# KiCad board MES Main Board.kicad_pcb (continued)
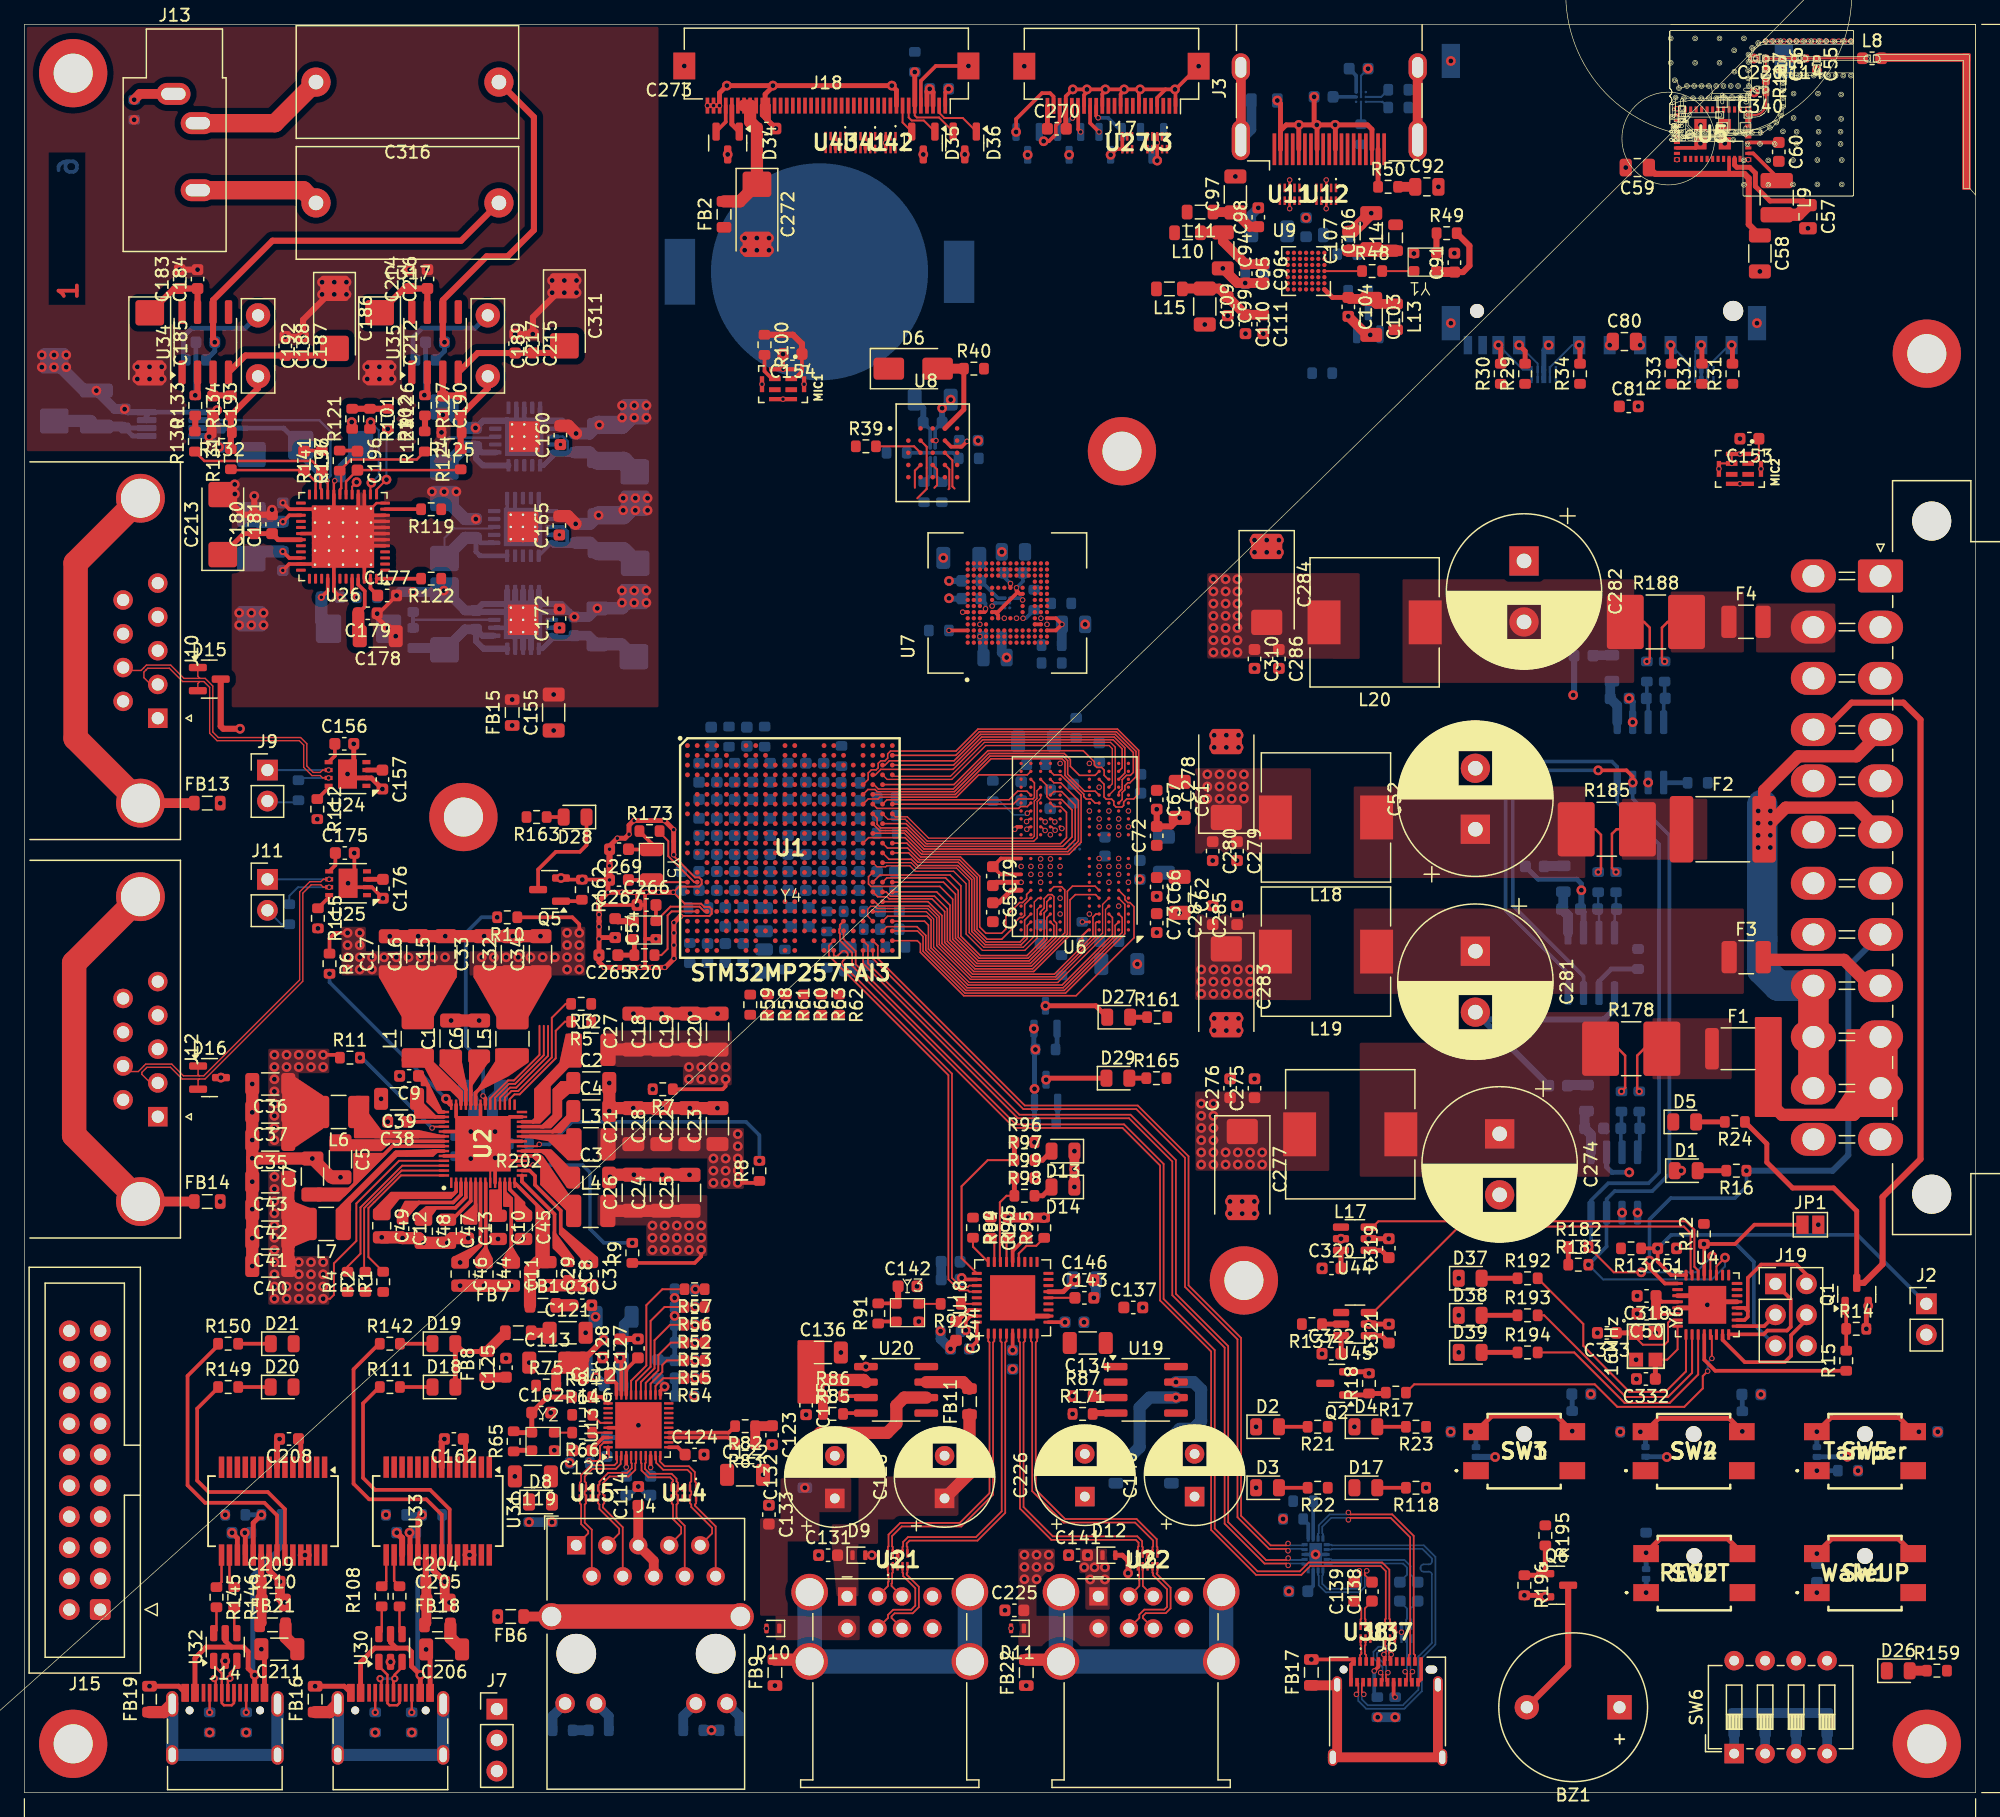
[diagram p0: board, top side]
## Nets (continued)
Net-(C189-Pad2): C189.2 R124.2 R125.1 R127.1
Net-(C191-Pad2): C191.2 C316.1 R128.2 U35.6
Net-(C192-Pad1): C192.1 R130.2 R133.1 R135.1
Net-(C192-Pad2): C192.2 R131.2 R132.1 R134.1
Net-(C194-Pad2): C194.2 C317.1 R135.2 U34.6
Net-(C196-Pad1): C196.1 R136.2
Net-(C197-Pad1): C197.1 R141.2
Net-(C220-Pad1): C56.1 C220.1 R114.2 R117.1
Net-(C269-Pad1): C269.1 R173.1 Y5.1
Net-(C274-Pad1): C274.1 L17.1 R178.1 R179.1
Net-(C281-Pad1): C281.1 F3.1 L19.1
Net-(C282-Pad2): C282.2 L20.1 R187.1 R188.1
Net-(C316-Pad2): C316.2 J13.T
Net-(C317-Pad2): C317.2 J13.R
Net-(D1-A): D1.2 R16.2
Net-(D2-A): D2.2 R21.2
Net-(D3-A): D3.2 R22.2
Net-(D4-A): D4.2 R23.2
Net-(D5-A): D5.2 R24.2
Net-(D6-A): D6.2 R40.1 U8.A4
Net-(D7-K): D7.3 R47.2
Net-(D8-A): D8.2 R72.2 U13.34
Net-(D8-K): D8.1 R73.2
Net-(D9-K): C126.1 C131.2 D9.1 FB11.1 J5.1
Net-(D10-K): C132.1 C133.2 D10.1 FB23.1 J5.5
Net-(D11-K): C225.2 C226.1 D11.1 FB25.1 J16.5
Net-(D12-K): C140.1 C141.2 D12.1 FB24.1 J16.1
Net-(D13-A): D13.2 R97.2
Net-(D14-A): D14.2 R98.2
Net-(D17-A): D17.2 R118.2
Net-(D18-K): D18.1 R111.2
Net-(D19-K): D19.1 R142.2
Net-(D20-K): D20.1 R149.2
Net-(D21-K): D21.1 R150.2
Net-(D23-K): D23.1 R140.1 R151.1 SW3.2
Net-(D24-K): D24.1 R153.1 R154.1 SW4.2
Net-(D26-A): D26.2 R159.1
Net-(D27-A): D27.2 R161.1
Net-(D27-K): D27.1 Q3.3
Net-(D28-A): D28.2 R163.1
Net-(D28-K): D28.1 Q5.3
Net-(D29-A): D29.2 R165.1
Net-(D29-K): D29.1 Q4.3
Net-(D37-A): D37.2 R192.1
Net-(D38-A): D38.2 R193.1
Net-(D39-A): D39.2 R194.1
Net-(F1-Pad1): F1.1 R138.1 R178.2
Net-(F2-Pad1): F2.1 R185.2 R186.1
Net-(F4-Pad1): F4.1 R188.2 R189.1
Net-(FB5-Pad1): FB5.1 J3.SH
Net-(FB6-Pad1): FB6.1 J4.15 J4.16
Net-(J3-+5V): J3.18 R50.1
Net-(J3-CEC): J3.13 R44.1 U10.A2
Net-(J3-HPD/HEAC-): C93.2 J3.19 R51.1 U9.C4 U10.C3
Net-(J3-SCL): J3.15 R45.1 U9.D1 U10.A3
Net-(J3-SDA): J3.16 R46.1 U9.D2 U10.B3
Net-(J4-CT1): C114.1 J4.5 J4.6
Net-(J4-GA): J4.11 R68.1
Net-(J4-GC): J4.12 R70.2 U13.32
Net-(J4-YA): J4.13 R71.2 U13.33
Net-(J4-YC): J4.14 R69.2
Net-(J5-Shield): FB9.2 J5.9
Net-(J6-CC1): J6.A5 R180.1
Net-(J6-CC2): J6.B5 R181.1
Net-(J6-SHIELD): FB17.1 J6.S1
Net-(J8-CC1): J8.A5 R104.1
Net-(J8-CC2): J8.B5 R103.1
Net-(J8-SHIELD): FB16.1 J8.S1
Net-(J9-Pin_2): J9.2 R113.1
Net-(J10-PAD): FB13.1 J10.0
Net-(J11-Pin_2): J11.2 R116.1
Net-(J12-PAD): FB14.1 J12.0
Net-(J13-PadS): J13.S R129.2
Net-(J14-CC1): J14.A5 R144.1
Net-(J14-CC2): J14.B5 R143.1
Net-(J14-SHIELD): FB19.1 J14.S1
Net-(J16-Shield): FB22.2 J16.9
Net-(MIC1-LR): MIC1.2 R100.2
Net-(Q1-G): Q1.1 R14.1 R15.2
Net-(Q2-G): Q2.1 R17.2 R18.1
Net-(Q6-G): Q6.1 R195.2 R196.1
Net-(R107-Pad2): R107.2 U30.6
Net-(R108-Pad2): R108.2 U30.4
Net-(R145-Pad2): R145.2 U32.6
Net-(R146-Pad2): R146.2 U32.4
Net-(R152-Pad2): R152.2 SW6.4
Net-(R156-Pad2): R156.2 SW6.3
Net-(R157-Pad2): R157.2 SW6.2
Net-(R158-Pad2): R158.2 SW6.1
Net-(SD1-CLK): R28.1 R34.2 SD1.5 U16.4 U16.7
Net-(SW5-B): R155.2 SW5.1
Net-(Temp2-ADD0): R201.1 Temp2.B2
Net-(Temp3-ADD0): R203.1 Temp3.B2
Net-(Temp4-ADD0): R205.1 Temp4.B2
Net-(U1D-DSI_REXT): R174.1 U1.E8
Net-(U1E-COMBOPHY_REXT): R168.1 U1.Y20
Net-(U1E-USB3DR_TXRTUNE): R169.1 U1.V17
Net-(U1E-USBH_HS_TXRTUNE): R170.1 U1.V16
Net-(U1F-DDR_ZQ): R27.2 U1.K16
Net-(U1G-V08CAP): C299.1 U1.M8
Net-(U1G-VDD33UCPD): C300.1 R175.2 U1.T16 U1.Y16
Net-(U1G-VDDA18ADC): C227.1 C233.1 R167.1 U1.V7
Net-(U1G-VDDA18DSI): C254.1 U1.C7
Net-(U1G-VDDA18LVDS): C253.1 U1.C4
Net-(U1G-VDDCOMBOPHY): C228.1 C234.1 C243.1 R172.2 U1.V18 U1.V19 U1.Y19
Net-(U1G-VDDDSI): C301.1 U1.F7
Net-(U1I-CSI_REXT): R41.1 U1.E6
Net-(U2-INTLDO): C44.1 U2.8
Net-(U2-LDO1OUT): C29.1 FB1.1 U2.14
Net-(U2-PWRCTRL1): R1.2 U2.56
Net-(U2-PWRCTRL2): R2.2 U2.55
Net-(U2-PWRCTRL3): R4.2 U2.54
Net-(U2-RSTN): R3.2 U2.31
Net-(U2-VBUS): C11.1 U2.12
Net-(U2-VLX1): L1.1 U2.40
Net-(U2-VLX2): L2.1 U2.26
Net-(U2-VLX3): L3.1 U2.23
Net-(U2-VLX4): L4.1 U2.19
Net-(U2-VLX5): L5.1 U2.37
Net-(U2-VLX6): L6.1 U2.48
Net-(U2-VLX7): L7.1 U2.51
Net-(U2-VREFDDR): C38.1 U2.45
Net-(U2-WAKEUPN): R5.2 U2.30
Net-(U4-XTAL1/PB6): C333.1 U4.7 Y6.1
Net-(U4-XTAL2/PB7): C332.1 U4.8 Y6.3
Net-(U5-ANT): C340.1 R117.2 U5.41
Net-(U5-SR_VLX): L9.1 U5.34
Net-(U5-VIN_LDO): C57.1 L9.2 U5.31
Net-(U6A-ZQ0): R26.2 U6.A5
Net-(U7-RSTn): R36.2 U7.K5
Net-(U7-VDDI): C86.1 C87.1 U7.C2
Net-(U9-A2VDD): C103.1 C104.1 L13.1 U9.G7
Net-(U9-AVDD): C100.1 C101.1 L12.1 U9.B4
Net-(U9-CEC): R44.2 R47.1 U9.D6
Net-(U9-CEC_CLK): R48.1 U9.D7
Net-(U9-PVDD): C106.1 C107.1 L14.1 U9.C6
Net-(U9-R_EXT): R42.1 U9.C5
Net-(U9-V3P3): C97.1 C98.1 L11.1 U9.B1
Net-(U13-CLKOUT): R64.2 U13.35
Net-(U13-REG_OUT): L16.1 U13.30
Net-(U13-RESET): R67.1 U13.39
Net-(U13-RXCLK_PHYAD1): R57.2 U13.27
Net-(U13-RXCTL_PHYAD2): R56.2 U13.26
Net-(U13-RXD0_RXDLY): R52.2 U13.25
Net-(U13-RXD1_TXDLY): R53.2 U13.24
Net-(U13-RXD2_PLLOFF): R55.2 U13.23
Net-(U13-RXD3_PHYAD0): R54.2 U13.22
Net-(U13-TXCLK): R62.2 U13.20
Net-(U13-TXCTL): R63.2 U13.19
Net-(U13-TXD0): R59.2 U13.18
Net-(U13-TXD1): R58.2 U13.17
Net-(U13-TXD2): R61.2 U13.16
Net-(U13-TXD3): R60.2 U13.15
Net-(U13-XTAL_OUT_EXT_CLK): R66.1 U13.37
Net-(U18-CRFILT): C143.1 U18.14
Net-(U18-PLLFILT): C144.1 U18.34
Net-(U18-RBIAS): R93.1 U18.35
Net-(U18-RESET_N): R90.2 U18.26
Net-(U18-SCL/SMBCLK/CFG_SEL0): R94.1 U18.24
Net-(U18-SDA/SMBDATA/NON_REM1): R95.1 U18.22
Net-(U18-VBUS_DET): R89.2 U18.27
Net-(U18-XTALIN/CLKIN): R92.1 U18.33
Net-(U19-OUT1): FB24.2 U19.7
Net-(U19-OUT2): FB25.2 U19.6
Net-(U20-OUT1): FB11.2 U20.7
Net-(U20-OUT2): FB23.2 U20.6
Net-(U23-NR): C160.1 U23.14
Net-(U26-I2C): R121.1 U26.17
Net-(U26-LDOE): R120.2 U26.44
Net-(U26-OUTL1+): C196.2 R124.1 U26.18
Net-(U26-OUTL1-): R123.1 R136.1 U26.19
Net-(U26-OUTR1+): C197.2 R131.1 U26.23
Net-(U26-OUTR1-): R130.1 R141.1 U26.22
Net-(U26-VDD18): C177.1 U26.47
Net-(U28-NR): C165.1 U28.14
Net-(U29-FB): R105.2 R106.1 U29.3
Net-(U29-NR/SS): C172.1 U29.14
Net-(U31-3V3OUT): C161.1 U31.17
Net-(U31-CBUS0): R111.1 U31.23
Net-(U31-CBUS1): R142.1 U31.22
Net-(U31-VCC): C162.1 C204.1 C205.1 FB18.1 U31.4 U31.20
Net-(U31-~{RESET}): R109.2 R110.1 U31.19
Net-(U33-3V3OUT): C207.1 U33.17
Net-(U33-CBUS0): R149.1 U33.23
Net-(U33-CBUS1): R150.1 U33.22
Net-(U33-VCC): C208.1 C209.1 C210.1 FB21.1 U33.4 U33.20
Net-(U33-~{RESET}): R147.2 R148.1 U33.19
Net-(U34-+): C193.1 R134.2 U34.3
Net-(U34--): C194.1 R133.2 U34.2
Net-(U35-+): C190.1 R127.2 U35.3
Net-(U35--): C191.1 R126.2 U35.2
Net-(U45-DIR): R137.1 U45.5
Net-(U46-IN+): C323.2 R138.2 U46.8
Net-(U46-IN-): C323.1 R179.2 U46.7
Net-(U46-VS): C324.2 FB3.1 U46.5
Net-(U47-A0): R190.2 U47.2
Net-(U47-IN+): C326.2 R186.2 U47.8
Net-(U47-IN-): C326.1 R184.2 U47.7
Net-(U47-VS): C327.2 FB12.1 U47.5
Net-(U48-A1): R191.2 U48.1
Net-(U48-IN+): C329.2 R189.2 U48.8
Net-(U48-IN-): C329.1 R187.2 U48.7
Net-(U48-VS): C330.2 FB20.1 U48.5
Net-(Y1-OUT): R48.2 Y1.3
Net-(Y1-VC): R49.1 Y1.1
Net-(Y2-OUT): R66.2 Y2.3
Net-(Y2-VC): R65.1 Y2.1
Net-(Y3-OUT): R92.2 Y3.3
Net-(Y3-VC): R91.1 Y3.1
Net-(Y4-VC): C265.1 R20.2 Y4.1

Pads without a net:  #2 1;  #6 1; D7 2; J1 1 2 12 13 20; J3 14; J6 A4 A8 A9 B4 B8 B9; J8 A8 B8; J10 1 4 8 9; J12 1 4 8 9; J14 A8 B8; J15 11 17 19; J18 20 21 22 23 24 25 26 27 28 29; SW1 3; SW2 3; SW3 3; SW4 3; SW5 3; U1 A2 A3 A4 AA4 AA6 AA7 AA8 AA14 AA18 AA21 AB3 AB21 B1 B2 B3 B4 C1 C2 C3 C10 E11 G2 G16 H1 H4 K3 K5 K6 K7 K17 K18 L4 L7 L20 M2 M3 M18 N3 N5 P2 P3 P5 P16 P17 R5 R6 R17 R18 R19 T9 T12 T13 T14 T15 T17 T19 U4 U9 U14 U15 U16 U18 U19 V4 V5 V6 V8 V15 W3 W7 W13 Y3 Y6 Y7 Y8 Y13 Y18; U4 2 14 19 22 23 24 25 26; U5 6 7 13 15 16 17 18; U6 A1 A2 A8 A11 A12 AA1 AA12 AB1 AB2 AB11 AB12 B1 B12 G11 H3 J5 K5 K8 N5 N8 P5 R3; U7 A1 A2 A7 A8 A9 A10 A11 A12 A13 A14 B1 B7 B8 B9 B10 B11 B12 B13 B14 C1 C3 C5 C7 C8 C9 C10 C11 C12 C13 C14 D1 D2 D3 D4 D12 D13 D14 E1 E2 E3 E5 E8 E9 E10 E12 E13 E14 F1 F2 F3 F10 F12 F13 F14 G1 G2 G3 G10 G12 G13 G14 H1 H2 H3 H5 H12 H13 H14 J1 J2 J3 J12 J13 J14 K1 K2 K3 K6 K7 K10 K12 K13 K14 L1 L2 L3 L12 L13 L14 M1 M2 M3 M7 M8 M9 M10 M11 M12 M13 M14 N1 N3 N6 N7 N8 N9 N10 N11 N12 N13 N14 P1 P2 P7 P8 P9 P10 P11 P12 P13 P14; U8 A2 A3 A5 B1 B5 C1 C3 C5 D1 D5 E1 E2 E3 E4 E5; U10 A1; U16 5 6; U17 5 6; U18 32; U23 2 4 6 9 12 17 18 19; U26 24 25 28 29 32 33 36 37 38 39 42 43; U28 2 4 5 8 9 11 12 17 18 19; U31 2 3 6 8 9 10 11 12 13 14 24 27 28; U33 2 3 6 8 9 10 11 12 13 14 24 27 28; U34 1 5 8; U35 1 5 8

## Via types
v1: diameter 0.8, hole 0.4, Top to Bottom, 689 vias
v2: diameter 0.45, hole 0.3, Top to Bottom, 185 vias
v3: diameter 0.6, hole 0.3, Top to Bottom, 24 vias

## Routing (per net, layer and track width the routed paths; a pad name or vN(x,y) marks a point on that pad's centre or on a via; arc(x,y) is an arc through that point)
1.8V1_FB: length 17.9
  Top w0.3: U2.35 37.8,56.94 v2(37.61,57.13)
  Bottom w0.3: v2(37.61,57.13) 37.61,59.83 36.19,61.25 36.19,70.49 37.48,71.78 v1(38.77,71.78)
+1.8V: length 21.5
  Top w0.3: U7.N4 U7.M4 ; U7.C6 78.73,96.8 78.81,96.88 v2(78.81,97.08) ; v1(45.5,70.5) 45.5,71.21 44.93,71.78 R10.1 ; U7.P5 84.58,96.3 v2(85.08,95.8) 84.58,95.3 U7.P3
  Top w1: C33.1 C34.1 ; L5.2 C32.1
  Bottom w0.3: C84.1 78.81,97.52 v2(78.81,97.08)
  Bottom w0.8: 85.06,94.09 85.06,95.78 v2(85.08,95.8)
  vias: v1(37.5,68.5) v1(38.5,68.5) v1(39.5,68.5) v1(40.5,68.5) v1(41.5,68.5) v1(42.5,68.5) v1(43.5,68.5) v1(44.5,70.5) v1(44.5,69.5) v1(44.5,68.5) v1(44.5,67.5) v1(45.5,69.5) v1(45.5,68.5) v1(45.5,67.5)
+1V_AVDD_RGMII: length 5.2
  Top w0.3: C120.1 46.52,28.18 47.46,29.12 U13.38 ; U13.3 v2(49.35,26.69) ; U13.8 v2(51.35,26.66)
  Bottom w0.3: v2(49.35,26.69) C118.1 ; v2(51.35,26.66) C117.1
+1V_DVDD_RGMII: length 3.9
  Top w0.3: v1(52.5,33.29) 52.15,32.95 U13.21
  Bottom w0.3: C115.1 51.94,33.85 v1(52.5,33.29)
  Bottom w0.8: R74.1 49.14,38.37 C116.1
+1V_RGMII: length 11
  Top w0.5: C112.2 46.03,35.68 v1(47.49,37.14)
  Top w0.8: L16.2 45.51,34.1 44.35,35.26 ; L16.2 45.86,35.67 C112.2 45.45,35.26 ; L16.2 45.86,34.85 45.45,35.26 ; 45.45,35.26 44.35,35.26 ; 44.35,35.26 43.61,34.52 R75.2
+3.3V: length 126.4
  Top w0.157: v1(24.5,40.5) 25.06,40.5 25.38,40.82 25.38,43.4 27.22,45.24 27.22,48.31 30.72,51.81 U2.53
  Top w0.164: C153.1 142.22,109.63 141.6,109 141.35,109
  Top w0.3: U18.10 85.33,38.58 v1(85.34,38.57) ; R91.2 71.45,40.12 Y3.4 ; 25.5,77.05 25.5,76.05 U25.5 ; v1(76.86,42.2) 76.98,42.08 U18.29 ; U2.3 35.8,49.03 35.16,48.39 32.36,48.39 31.01,47.04 C12.1 ; v1(77.49,36.38) 78.1,36.99 U18.36 ; C179.2 27.91,97.24 27.91,98.52 27.38,99.06 U26.45 ; C154.1 63.76,116.55 63.16,115.95 MIC1.1 ; v2(77.3,110.81) 76.86,110.37 75.98,110.37 U8.B4 ; U5.30 139.78,132.75 139.79,132.74 ; U5.36 C60.1 ; U18.23 81.03,44.42 C145.1 ; U24.5 25.46,85.02 C156.1 ; U18.5 v1(81.03,36.27)
  Top w0.4: J17.22 83.89,136.44 C270.1 ; v1(86.14,42.03) 85.19,41.08 U18.15 ; J18.3 74.51,139.44 v1(74.23,139.71) 74.01,139.48 J18.4 ; FB8.2 35.97,36.18 D19.2 35.34,36.81 D18.2
  Top w0.5: C142.1 71.65,40.24 Y3.4 ; C58.1 141.4,128.6 141.4,132.38 141.04,132.74 133.73,132.74 C59.1 ; R49.2 118.49,126.84 118.49,125.21 117.97,124.69 C91.1 ; R121.2 R102.1 ; R100.1 63.02,119.55 63.76,118.81 C154.1
  Top w0.8: FB7.2 39.44,37.7 FB8.2 ; C91.1 115.88,124.69 Y1.4
  Top w1: 27.5,94.83 27.38,94.95 C179.2 ; L7.2 21.7,46.63 21.64,46.69 ; 21.64,46.69 C40.1 ; 21.64,46.69 C43.1 ; FB18.2 34.93,12.7 C206.1 ; FB21.2 21.41,12.73 C211.1
  Bottom w0.3: C339.2 37.4,55.12 Temp3.A2 ; C240.2 105.68,16.95 U40.17 ; C342.2 74.28,111.77 Temp4.A2 ; C334.2 79.84,97.95 Temp1.A2 ; C88.1 76.72,110.81 v2(77.3,110.81)
  Bottom w0.5: C341.1 73.7,113.53 C342.2
  Bottom w0.8: C339.2 36.83,56.87 C338.1
  vias: v1(20.5,50.5) v1(20.5,49.5) v1(20.5,48.5) v1(20.5,47.5) v1(20.5,46.5) v1(20.5,45.5) v1(20.5,44.5) v1(20.5,43.5) v1(20.5,42.5) v1(20.5,41.5) v1(20.5,40.5) v1(21.5,41.5) v1(21.5,40.5) v1(22.5,43.5) v1(22.5,42.5) v1(22.5,41.5) v1(22.5,40.5) v1(23.5,43.5) v1(23.5,42.5) v1(23.5,41.5) v1(23.5,40.5) v1(24.5,43.5) v1(24.5,42.5) v1(24.5,41.5)
+3.3V_AVDD_RGMII: length 4
  Top w0.3: 54.18,27.72 53.58,28.32 U13.11 ; U13.40 47.86,27.68 v2(47.75,27.57)
  Top w0.8: FB8.1 39.47,34.05 C125.1
+3.3V_DVDD_RGMII: length 22.6
  Top w0.3: U13.28 49.35,34.69 C127.1 ; U13.29 48.95,35.55 v1(48.85,35.65)
  Top w0.4: R84.1 42.89,32.44 C102.1 Y2.4 40.23,29.52 R65.2
  Top w0.8: R83.1 R82.1 61.28,30.05 C123.1 ; FB7.1 C121.1
  Bottom w0.5: R79.1 53.37,33.94 C129.1
  Bottom w0.8: R68.2 R70.1 ; C105.2 48.97,33.5 C108.2
+3.3V_USB: length 3.2
  Top w0.3: C45.1 40.92,48.34 39.8,49.46 U2.13
+5V: length 84
  Top w0.3: C5.1 25.92,53.41 U2.49 ; C2.1 44.04,58.19 43.47,57.62 43.47,55.54 42.54,54.61 40.8,54.61 ; C6.1 36.61,59.68 36.61,56.42 U2.38 ; U2.20 42.82,52.61 C3.1 ; C13.1 37,47.63 U2.6 ; C9.1 32.32,58.71 33.12,57.91 33.12,56.68 33.99,55.81 U2.43 ; 35.35,60.34 35.33,60.36 ; 38.71,47.43 C10.1 38.67,47.47 38.67,48.48 39,48.81 U2.11 ; C4.1 43.33,54.21 U2.24 ; C8.1 43.47,44.69 43.47,47.43 40.8,50.1 U2.15 ; 36.2,56.41 36.2,57.64 34.2,59.64 ; C7.1 26.21,49.05 30.17,53.01 U2.50 ; 34.2,59.64 34.27,59.64 ; 34.2,59.64 34.2,59.7
  Top w0.4: U24.3 29.35,83.86 C157.1 ; U25.3 29.39,74.9 C176.1
  Top w0.8: C135.1 65.45,32.54 R86.1 R85.1
  Top w1: C136.1 64,32.64 C135.1 65.4,33.84 68.83,33.84 U20.2
  Bottom w0.3: C90.1 109.2,140.8 U10.C1 ; U10.B1 107.32,139.05 C89.1
  vias: v1(97,83.5) v1(97,82.5) v1(97,81.5) v1(98,83.5) v1(98,82.5) v1(98,81.5) v1(99,83.5) v1(99,82.5) v1(99,81.5) v1(100,83.5) v1(100,82.5) v1(100,81.5)
+5V_HDMI: length 8.8
  Top w0.3: U2.7 37.4,44.88 35.99,43.47 v1(35.73,43.47)
  Top w0.8: R50.2 C92.1
+5V_VONN: length 4.1
  Top w0.3: U2.5 36.6,48.51 35.07,46.98 C47.1
+5VA: length 35.8
  Top w0.3: v3(24.35,98.02) 24.88,98.55 U26.40 ; U26.34 21.72,101.25 v3(21.19,101.78) ; U26.27 21.73,104.74 v3(21.2,104.22)
  Top w0.4: U26.31 20.8,102.75 C181.1 C180.1 17.99,103.24 C213.1
  Bottom w0.164: C167.1 34.44,102.89 35.23,103.67 38.4,103.67 U28.3
  Bottom w0.4: U28.1 37.42,102.49 C166.1 37.02,101.77 37.36,101.43 U28.20
  Bottom w1: v3(21.19,101.78) 19.2,101.78 C201.1 ; C199.1 19.2,104.22 v3(21.2,104.22) ; C166.1 36.14,102.89 C167.1 ; v3(24.35,98.02) 24.35,96.03 C203.1
+5VREF: length 31.3
  Top w0.2: U26.21 24.88,107.5 v2(24.8,107.58)
  Bottom w0.2: 24.36,107.94 24.34,107.92 ; v2(24.8,107.58) 24.8,107.67 25.11,107.98 25.11,111.61 24.17,112.55 U36.6
  Bottom w0.4: 16.44,111.9 16.44,111.9 18.23,111.9 ; v2(24.8,107.58) 24.45,107.92 24.34,107.92 22.66,109.6 C195.1 21.27,111.89 C221.1 16.04,111.9 14.25,111.9
+5VSB: length 26.7
  Top w0.3: C318.1 134.28,40.25 U4.4 ; 141.32,39.48 141.32,39.02 141.05,38.75 U4.18 ; 141.32,39.48 141.32,42.21 142.41,43.3 145.31,43.3 146.13,42.48 J19.2 ; 141.32,39.48 141.05,39.75 U4.20 ; U4.6 133.81,39.25 C50.1
  Top w0.4: U45.1 111.29,37.47 C321.1 ; U44.1 111.28,44.47 C319.1 ; R182.1 R183.1
  Top w0.8: C318.1 C50.1
  Bottom w0.8: C325.2 126.59,58.02 FB3.2 ; FB20.2 128.67,93.27 C331.2 ; FB12.2 124.68,76 C328.2
  vias: v1(96.5,67.5) v1(96.5,66.5) v1(96.5,65.5) v1(97.5,67.5) v1(97.5,66.5) v1(97.5,65.5) v1(98.5,67.5) v1(98.5,66.5) v1(98.5,65.5) v1(99.5,67.5) v1(99.5,66.5) v1(99.5,65.5) v1(100.5,67.5) v1(100.5,66.5) v1(100.5,65.5)
+10VA: length 37.8
  Top w0.5: U34.7 C184.1 C183.1 12.27,123.34 C185.1 ; C212.1 31.12,123.34 C214.1 33.05,123.34 C216.1 33.04,123.34 U35.7
  Bottom w0.2: C174.1 34.44,110.74 34.81,111.11 38.54,111.11 U23.3
  Bottom w0.4: U36.1 8.89,111.25 C218.1 8.24,111.9 10.03,111.9
  Bottom w0.5: U23.20 37.58,108.84 37.04,109.38 C173.1 37.5,109.9 U23.1
  Bottom w0.8: C219.1 8.11,112.02
  Bottom w1: C312.1 5.44,112.48 ; C174.1 36.1,110.36 C173.1
+12V: length 23.2
  Bottom w0.2: 44.53,109.8 44.56,109.83 44.56,110.8 44.15,111.2 U23.13
  Bottom w0.3: U28.13 44.13,103.79 44.52,103.41 44.52,102.34 44.5,102.32 ; U28.16 U28.15
  Bottom w0.4: U23.15 43.35,109.61 42.58,108.84 U23.16
  Bottom w0.5: 45.16,109.9 45.06,109.8 43.45,109.8 U23.15 ; C164.1 45.03,102.32 43.42,102.32 U28.15
  Bottom w1: C159.1 46.34,109.9 C168.1 ; C164.1 46.39,102.49 C163.1
  Bottom w1.5: C159.1 49.14,109.2 C158.1 ; C163.1 49.1,101.79 C313.1
  vias: v1(96.5,56.5) v1(96.5,55.5) v1(96.5,54.5) v1(96.5,53.5) v1(96.5,52.5) v1(96.5,51.5) v1(97.5,56.5) v1(97.5,55.5) v1(97.5,54.5) v1(97.5,53.5) v1(97.5,52.5) v1(97.5,51.5) v1(98.5,52.5) v1(98.5,51.5) v1(99.5,52.5) v1(99.5,51.5) v1(100.5,52.5) v1(100.5,51.5) v1(101.5,52.5) v1(101.5,51.5)
-10VA: length 30.5
  Top w0.5: U35.4 37.17,118.05 C217.2 41.69,118.05 C215.2 43.7,118.06 C311.2 ; C186.2 24.85,117.85 C187.2 C188.2 18.13,117.85 U34.4
  Bottom w0.5: U29.1 37.55,94.87 C170.1 37.03,94.43 37.65,93.81 U29.20
  Bottom w0.8: C170.1 36.14,95.39 C171.2 34.3,93.86 R105.1
-12V: length 9.3
  Bottom w0.4: U29.15 43.25,94.58 42.48,93.81 U29.16
  Bottom w0.5: C315.1 44.93,94.7 43.43,94.7 U29.15
  Bottom w0.8: C314.1 46.28,94.87 C315.1
  Bottom w1: C314.1 48.97,94.16 C169.2
  vias: v1(97.5,99.5) v1(97.5,98.5) v1(97.5,97.5) v1(97.5,96.5) v1(97.5,95.5) v1(97.5,94.5) v1(97.5,93.5) v1(98.5,99.5) v1(98.5,98.5) v1(98.5,97.5) v1(98.5,96.5) v1(98.5,95.5) v1(98.5,94.5) v1(98.5,93.5) v1(99.47,99.5) v1(99.47,98.5) v1(99.47,97.5) v1(99.47,96.5) v1(99.47,95.5) v1(99.47,94.5) v1(99.47,93.5)
GND: length 497.9
  Top w0.127: v2(83.7,78.9) 83.4,79.2 U6.P10
  Top w0.157: v1(36.6,51.99) 37.6,52.99 U2.57 38.2,52.61 38.2,50.01 ; v2(53.24,76.91) 53.24,76.8 54.99,75.05 55.33,75.05 55.54,74.84 55.54,74.51 55.32,74.29 53.67,74.29 v2(53.21,73.83) 54.14,72.9 55.48,72.9 55.75,72.63 56.17,72.63 56.36,72.44 56.36,72.07 56.18,71.89 53.83,71.89 v2(53.81,71.87)
  Top w0.164: v2(140.68,109.78) 140.04,109.78 139.99,109.72 140,109.71 v2(140,109) 139.05,109 138.95,108.9 v2(138.95,108.55)
  Top w0.2: v2(106.75,129.89) U12.8 ; v2(103.75,129.89) U11.8 ; U11.3 v2(103.75,132.24) ; U12.3 v2(106.75,132.24)
  Top w0.3: 50.9,70.03 50.9,72.8 ; 50.9,70.03 50.92,70.01 v2(51.79,70.01) ; 50.9,70.03 50.9,67.72 50.85,67.67 ; 50.9,72.8 50.89,72.79 v1(50.24,72.79) ; 50.9,72.8 50.9,73.73 v2(51,73.83) ; J6.B1 114.53,9.3 J6.A12 ; J17.13 88.39,139.29 88.77,139.67 ; U27.3 U27.4 89.53,134.77 v1(89.07,134.3) ; 91.62,139.67 91.39,139.44 J17.7 ; 91.62,139.67 93.57,139.67 ; 91.62,139.67 v1(91.49,139.67) 90.28,139.67 ; J18.1 75.51,139.44 v1(75.78,139.71) ; U2.27 39.8,55.41 v1(38.59,54.21) U2.57 ; 90.28,139.67 v1(90.18,139.67) 88.77,139.67 ; 90.28,139.67 89.89,139.28 J17.10 ; v1(137.44,135.25) 137.06,134.87 U5.19 ; U2.22 37.8,53.41 U2.57 ; v1(50.24,72.79) 50.24,73.81 50.26,73.83 ; v1(50.24,72.79) 47.25,72.79 47.12,72.66 ; U3.3 v2(92.89,135.29) 92.89,135.17 ; U41.3 v2(68.96,135.31) U41.8 ; v1(105.53,10.92) 108.85,10.92 109.02,10.75 J6.A1 108.78,10.5 J6.B12 ; U42.3 v2(70.63,135.29) U42.4 ; U6.K9 84.13,76.58 v2(84.14,76.57) ; v1(36.6,51.99) 36.38,52.21 U2.52 ; J18.5 73.51,140.37 74.73,141.59 v1(77.41,141.59) ; U37.3 v2(112.38,13.16) U37.4 ; 88.77,139.67 v1(88.64,139.67) 87.35,139.67 ; v2(76.94,96.8) 76.94,96.8 U7.A6 ; 93.57,139.67 92.89,138.99 J17.4 ; 93.57,139.67 v1(94.35,139.67) 94.39,139.67 ; 87.35,139.67 v1(87.13,139.67) v1(85.97,139.67) 85.96,139.67 85.39,139.1 J17.19 ; 87.35,139.67 86.89,139.21 J17.16 ; 92.89,135.17 U3.8 ; 92.89,135.17 v1(92.89,133.83) ; U6.P12 81.41,79.2 v2(81.21,79) ; U21.8 v2(71.6,19.1) U21.3 ; v2(78.35,95.8) 78.36,95.81 ; U22.8 v2(92.1,19.08) U22.3 ; 94.39,139.67 v1(96.29,141.57) ; 94.39,139.67 J17.1 ; v1(44,75) 44.13,74.87 R162.1 v1(45.75,74.87) 47.95,74.87 v2(47.98,74.84) ; U2.57 38.6,52.21 v1(38.6,52.05) U2.10 ; U2.57 37.4,53.41 U2.36 ; U2.57 v1(36.6,54.21) U2.47 ; U2.57 39,51.81 40.8,51.81 ; U7.H10 80.85,99.14 v2(80.86,99.15) ; U13.36 50.15,29.92 v1(50.35,30.12) ; v2(62.21,116.72) v1(62.21,117.97) ; v1(29.4,73.34) 28.5,74.25 U25.2 26.87,74.25 v1(26.54,74.57) 27.06,75.09 27.06,77.04 v1(27.05,77.05) ; U38.4 v2(110.37,13.17) U38.3 ; U8.B3 v2(74.75,110.87) ; U43.3 v2(66.51,135.3) U43.8 ; D9.2 69.49,19.47 v1(69.49,19.47) ; U2.41 35.4,55.41 ; D1.1 v1(135.86,51)
  Top w0.4: v1(61.62,136.46) 61.01,137.07 J18.30 60.74,138.34 ; v1(61.62,136.46) 60.74,137.34 60.74,138.34 ; v1(61.62,136.46) 60.51,137.57 J18.31 60.74,138.34 ; v2(57,138.34) v2(56.51,138.34) v2(56.01,138.34) ; v2(57,138.34) 57,139.38 v1(57.6,139.98) v1(61.38,139.98) 61.45,139.98 ; v2(57,138.34) J18.38 ; 104.66,136.76 104.5,136.6 J3.5 ; 104.66,136.76 v1(104.51,136.76) 103.47,136.76 103,136.29 J3.2 103,138.5 v1(102.74,138.76) ; 104.66,136.76 105.65,136.76 ; v2(47.98,74.84) 47.85,74.71 47.85,73.84 v2(47.86,73.83) ; J3.17 110.5,136.39 110.13,136.76 107.51,136.76 ; v1(124.71,16.06) 124.59,16.18 v1(123,16.18) ; 31.62,19.49 31.62,21.28 v1(31.58,21.32) ; v2(81.73,74.65) 79.68,74.65 C79.2 ; U18.37 82.53,39.08 U18.11 ; 47.12,71.45 v2(47.12,71) v2(47.12,70) 47.12,68.68 v2(47.11,68.68) 47.11,68.11 v2(47.55,67.67) v2(48.5,67.67) v2(49.5,67.67) v2(50.5,67.67) v2(51.5,67.67) v2(52.5,67.67) 52.55,67.67 53.26,68.38 v2(53.26,68.4) v2(53.26,69.5) v2(53.26,70.5) v2(53.26,71.34) 53.79,71.87 v2(53.81,71.87) ; 47.12,71.45 47.13,71.44 ; 47.12,71.45 v2(47.12,72) v2(47.12,73.09) v2(47.86,73.83) ; J8.A12 33.27,11.41 v1(32.94,11.74) ; J17.19 85.39,136.49 C270.2 ; 61.45,139.98 v1(71.13,139.98) 71.51,139.6 J18.9 ; 61.45,139.98 60.74,139.27 60.74,138.34 ; v1(151.04,38.03) 151.04,39.76 v1(151.19,39.92) Q1.2 ; v1(105.76,139.06) 105.76,136.87 105.65,136.76 ; J14.A1 12.65,8.73 v1(10.26,8.73) ; 106.04,136.76 v1(107.48,136.76) 107.51,136.76 ; 106.04,136.76 v1(105.98,136.76) 105.65,136.76 ; 106.04,136.76 106,136.72 J3.8 ; v1(138,40) 137.25,40.75 U4.3 ; v1(138,40) 137.75,39.75 U4.5 ; v1(138,40) 138.25,40.25 U4.21 ; v2(53.24,76.91) v2(53.24,78.96) v2(52.49,79.71) v2(50,79.71) 49.96,79.71 49.58,79.33 v2(49.58,78.59) 49.25,78.26 v2(48.62,78.26) 47.98,77.63 v2(47.98,77.36) ; D12.2 90.03,19.47 90.5,19 v1(90.5,18) ; 107.51,136.76 107.5,136.75 J3.11 ; v2(53.21,73.83) v2(52,73.83) v2(51,73.83) v2(50,73.83) v2(49,73.83) v2(47.86,73.83) ; v1(110.23,45.42) v1(111.88,45.42) ; v1(110.25,34.38) 110.12,34.51 v1(108.55,34.51) ; J8.A1 26.23,8.73 v1(23.84,8.73) ; v1(19.43,11.76) 19.69,11.5 J14.A12 ; v1(18.08,21.31) 18.11,21.27 U33.18 ; v1(29.36,82.3) 28.45,83.21 U24.2 26.82,83.21 v1(26.5,83.53) 27.01,84.04 v1(27.01,86.01) ; v2(48.44,70.12) 47.12,70.12 ; v1(110.25,38.42) 111.89,38.42 v1(111.89,38.42)
  Top w0.5: U31.26 v1(36.5,19.49) U31.25 ; U31.7 34.22,28.78 v1(34.44,29) ; v1(17.68,87.24) 16.3,87.24 16.1,87.45 D15.3 ; v1(20.92,29) 20.72,28.79 U33.7 ; U33.21 20.06,18.2 v1(20.96,17.3) ; v1(34.47,17.3) 33.57,18.2 U31.21 ; v2(47.98,74.84) v2(47.98,76) 47.98,77.36 v2(47.98,77.36) ; U33.25 v1(23.01,19.48) U33.26 ; v1(94.74,79.93) 94.03,79.23 C72.2 v1(92.85,80.64) ; C128.2 v1(50.31,37.2)
  Top w0.8: Y1.2 v1(113.94,126.21) ; v1(110.36,119.54) C103.2 110.08,119.54 v1(108.56,121.06) ; v1(21.35,15.59) 20.96,15.98 v1(20.96,17.3) ; v1(34.86,15.59) 34.47,15.98 v1(34.47,17.3) ; C96.2 C95.2 99.47,123.79 v1(98.27,124.99) ; v1(75.94,36.38) 75.94,36.64 C144.2 ; v1(86.1,52.6) v1(86.1,51.12) v1(86.1,49.67) D14.1 ; v1(80.7,47.15) v1(82.17,47.15) v1(83.62,47.15) R95.2
  Top w1: v1(42.32,70.23) v1(40.05,70.23) v1(37.7,70.23) v1(34.51,70.23) v1(32.29,70.23) 29.97,70.23 v1(29.96,70.22) ; v1(46.33,41.61) 46.32,41.6 v1(44.65,41.6) v1(42.91,41.6) ; v1(110.44,129.52) v1(109.57,128.66) 108.92,128 C107.2 ; v1(36.39,45.47) 35.07,45.47 v1(34.68,45.08) v1(32.72,45.08) 32.33,45.47 v1(31.01,45.47) 30.95,45.53 v1(29.3,45.53) ; v1(56.83,56.13) v1(54.57,56.13) v1(52.27,56.13) v1(49.93,56.13) 48.2,56.13 v1(47.96,55.89) v1(47.96,58.19) ; v1(18.68,43.18) v1(18.68,45.46) v1(18.68,47.84) C43.2 v1(18.68,50.1) 18.68,51.75 ; v1(56.84,63.88) v1(54.59,63.88) v1(52.25,63.88) v1(49.94,63.88) ; C3.2 v1(48.02,50.5) 48.19,50.67 C26.2 v1(49.98,50.67) v1(52.3,50.67) 54.53,50.67 v1(54.54,50.66) ; v1(35.73,41.57) v1(37.69,41.57) 39.91,41.57 v1(39.92,41.56) ; 18.68,51.75 18.93,52 v1(23.61,52) C7.2 25.16,50.46 v1(25.92,50.46) ; 18.68,51.75 v1(18.68,52.02) v1(18.68,53.51) C35.2 v1(18.68,55.78) v1(18.68,58.11) ; v1(34.99,63.31) v1(37.29,63.31)
  Bottom w0.164: U10.B2 U10.C2 109.6,140.79 v1(110.18,141.37)
  Bottom w0.3: D30.3 92.89,133.88 v1(92.89,133.83) ; U17.8 U17.3 ; U39.4 v2(112.92,13.15) U39.3 ; Temp4.A1 74.68,111.78 C342.1 ; Temp3.A1 38,53.61 v1(38.59,54.21) 38.6,54.21 38.6,55.47 C339.1 ; R76.1 v1(53.32,39.09) ; C82.2 80.33,99.68 v2(80.86,99.15) ; v2(79.35,97.3) 79.6,97.55 Temp1.B2 ; Temp1.A1 81.7,97.95 v2(81.85,97.8) ; U40.12 v1(105.88,19.53) U40.3
  Bottom w0.4: R80.1 v1(53.32,40.57) v1(53.32,39.09) R78.1 ; D24.2 134.66,27.54 v1(134.68,27.52) ; v1(131.6,50.86) 130.18,50.86 129.74,51.3 U46.6 ; U16.8 U16.3 124.59,118.3 v1(124.99,118.7) ; D25.2 149.47,27.53 v1(149.48,27.54) ; C118.2 49.63,24.39 v1(50.34,25.1) 51.05,24.39 C117.2 ; C130.2 49.35,29.12 v1(50.35,30.12) ; v1(82.78,62.65) 82.78,61.06 v1(82.9,60.94) 82.83,60.86 v1(82.83,57.71) Q4.2 82.83,55 R164.1 ; v1(146.98,16.4) 146.99,16.41 C14.1 ; D22.2 v1(132.98,16.4) ; C328.1 124.13,74.9 127.3,74.9 127.67,74.53 v1(127.67,74)
  Bottom w0.5: C334.1 75.83,99.37 v1(75.82,99.36) ; v1(127.67,74) 127.67,72.53 C327.1 127.85,72.21 U47.6 ; v1(131.59,89.73) 131.88,89.44 v1(131.88,87.78) ; C84.2 75.85,97.91 v1(75.82,97.94) ; C115.2 53.26,35.5 R78.1 ; U47.1 130.39,64.25 129.55,63.41 119.57,63.41 C281.2 124.99,57.99 C325.1 ; v1(75.96,114.23) v1(75.25,113.53) C342.1 ; D23.2 120.59,27.53 v1(120.6,27.52) ; 129.74,54.23 C324.1 ; C331.1 127.08,90.08 v1(127,90)
  Bottom w0.8: R51.2 100.1,125.2 v1(100.1,123.79) 99.47,123.79 v1(98.27,124.99) ; C148.1 C149.1 ; C100.2 100.6,129.38 v1(101.18,129.96) ; C86.2 80.14,93.48 v1(80.54,93.08) ; 55.68,5.11 v1(56.34,5.11) R69.1 ; v1(41.39,22.18) v1(43.26,22.18) ; C108.1 46.02,34.9 v1(46.84,34.08) C105.1 ; C338.2 38.38,56.87 C339.1 ; v1(75.12,37.84) 75.12,37.2 v1(75.94,36.38) ; v1(110.97,6.18) v1(112.4,6.18) ; v1(87.69,42.03) 87.86,41.86 87.86,40.74 v1(87.69,40.57)